# Altium PCB Brake Module PCB R5.PcbDoc (part 2 of 3)
Units mm, origin at the board's own origin, x right, y up, seen from the top; angles counter-clockwise.
Board outline 73.35 x 121.67 mm, 4 copper layers (Top Layer, GND, Power, Bottom Layer), stack 1.371 mm thick; 145 components, 92 nets, 490 pads, 190 vias.
Unrouted connection lines stored in the file: 20.
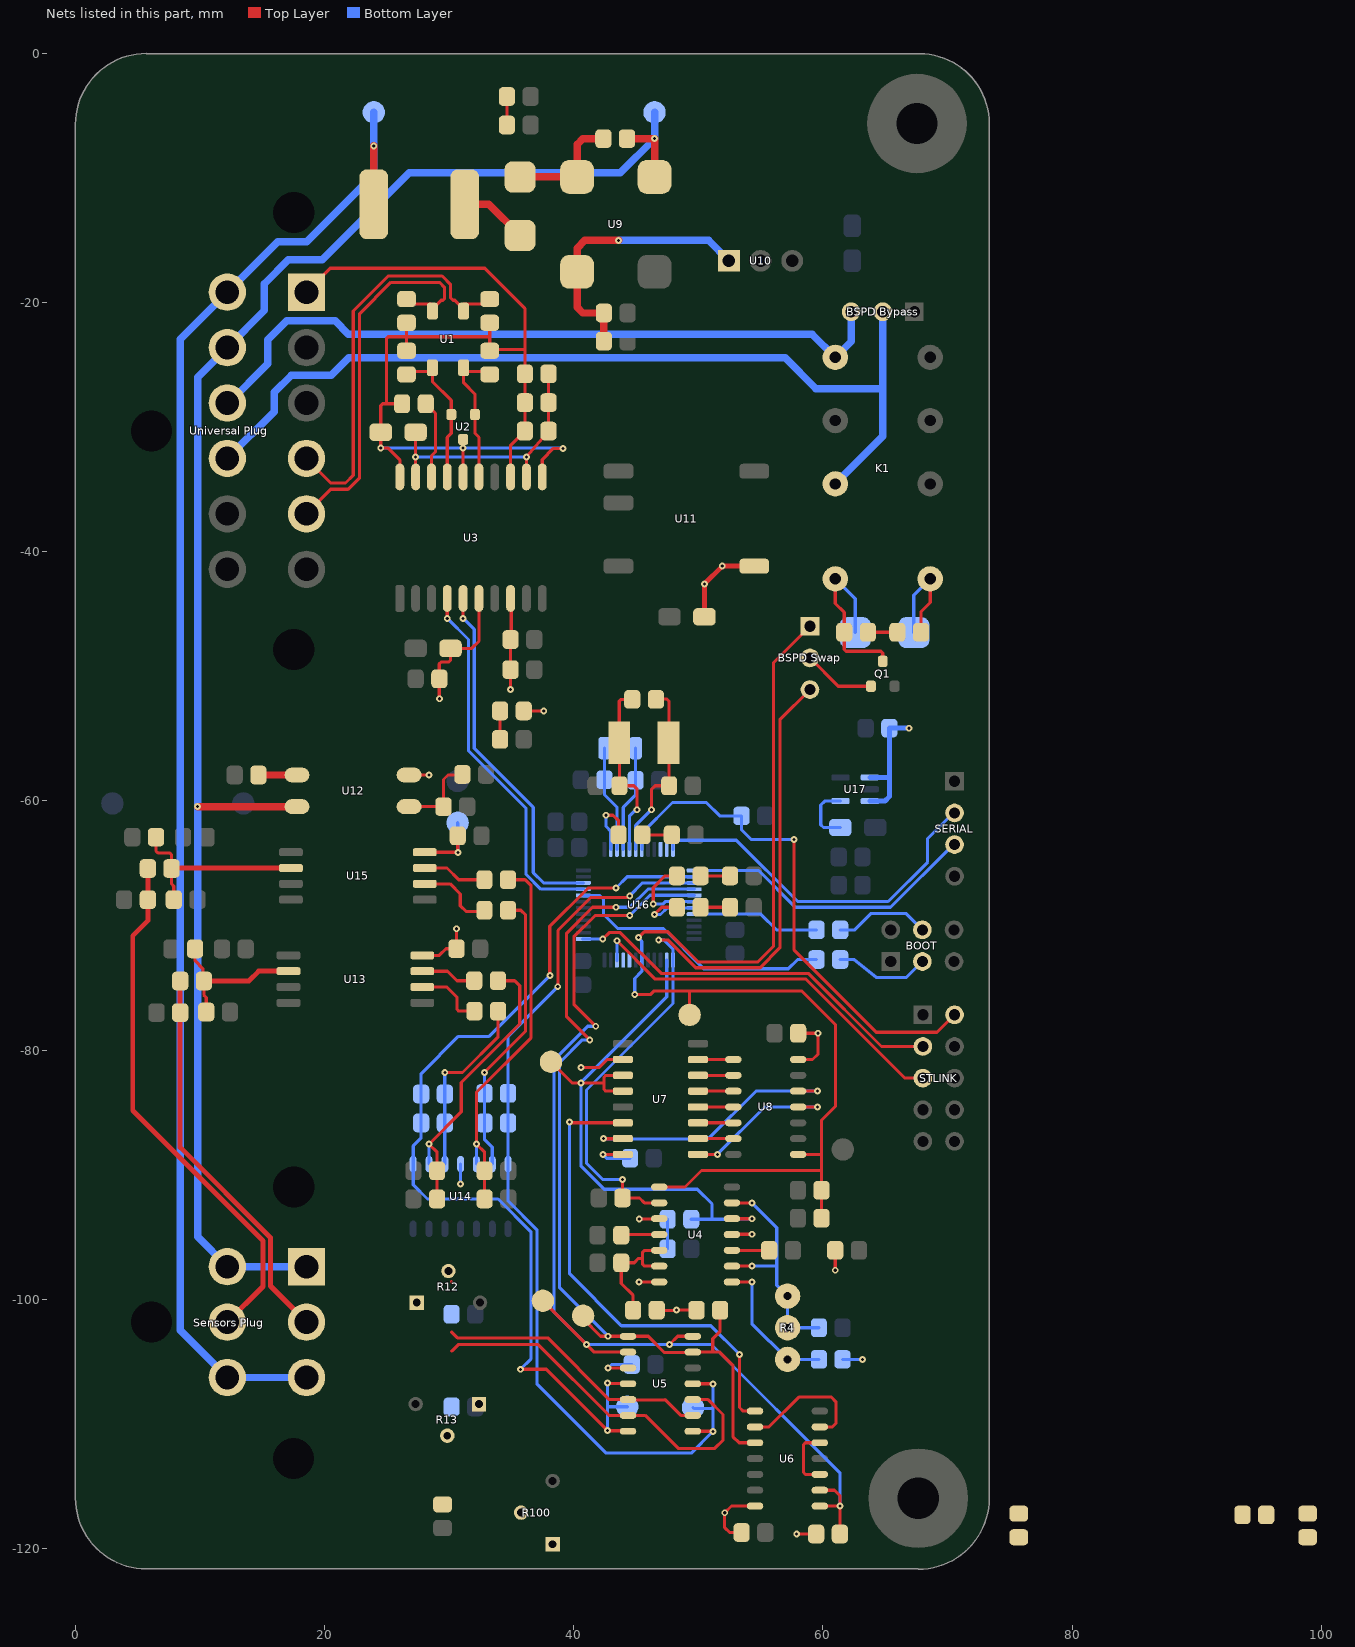
[diagram p4: the nets of this part, all layers, seen from the top]

## Via types
v1: diameter 0.55, hole 0.25, Top Layer to Bottom Layer, tented both sides, 190 vias

## Nets (pads, with @x,y where several pads share a name; then routed paths per layer and width w, separated by ;. In a path a pad name is that pad's centre, name@x,y a point inside that pad or via, vN(x,y) a via of type N, cw(c..) or ccw(c..) an arc to the next point about the centre after c; other vN are vias at no path point) (continued)
"5V (ISO)": "5V (ISO).1" C10.2 C11.2 C12.2 C13.2 C18.2 C19.2 C20.2 C21.2 C29.2 C32.2 C37.2 C50.2 D5.A D6.K D7.A K1.1 R2.2 R3.2 R8.2 R9.2 R10.2 R12.1 R13.1 R100.1 U3.6 U3.8 U4.4 U4.10 U4.14 U5.3 U6.14 U7.10 U7.16 U8.14 U11.5 U12.4 U13.8 U14.4 U15.8 U17.1 U17.3 | length 95.3
  Top Layer w0.254: U12.4@26.784,-57.919 v1(28.384,-57.919) ; U13.8@27.843,-72.397 29.214,-72.397 29.748,-71.863 C32.2@30.587,-71.863 v1(30.587,-70.263) ; U15.8@28.041,-64.117 30.667,-64.117 v1@30.687,-64.137 ; v1(29.209,-51.798) C13.2@29.209,-50.198 29.209,-49 29.358,-48.851 29.96,-48.851 30.109,-48.702 C12.2@30.109,-47.759 31.805,-47.759 32.389,-47.175 U3.6@32.389,-43.746 ; C37.2@30.687,-62.799 v1@30.687,-64.137 ; v1(30.7,-64.15) v1@30.687,-64.137 ; v1(34.929,-51.06) C11.2@34.929,-49.46 C10.2@34.929,-47.047 34.98,-46.996 34.98,-43.797 U3.8@34.929,-43.746 ; D5.A@35.987,-52.776 v1(37.587,-52.776) ; v1(40.568,-81.402) 42.049,-81.402 42.693,-80.758 U7.10@43.941,-80.758 ; v1(42.341,-88.378) U7.16@43.941,-88.378 ; v1(42.756,-105.515) U5.3@44.356,-105.515 ; v1(45.24,-98.615) U4.14@46.84,-98.615 ; v1(45.256,-93.554) U4.10@46.856,-93.554 ; R3.2@46.663,-100.876 46.687,-100.9 48.225,-100.9 v1(48.25,-100.875) R10.2@49.85,-100.875 ; U4.4@52.706,-94.786 v1(54.306,-94.786) ; C19.2@53.475,-118.721 52.506,-118.721 52.112,-118.328 52.112,-117.153 52.666,-116.6 U6.14@54.55,-116.6 ; v1(57.893,-118.85) R9.2@59.493,-118.85 ; U8.14@58.007,-80.758 59.167,-80.758 59.613,-80.312 v1(59.613,-78.651) C21.2@58.013,-78.651 ; v1(60.986,-97.676) R8.2@60.986,-96.076 ; D7.A@67.872,-46.463 67.872,-44.816 68.612,-44.076 K1.1@68.612,-42.171
  Top Layer w0.4: C29.2@50.486,-45.219 v1(50.486,-42.589) v1(51.92,-41.155) U11.5@54.486,-41.155
  Bottom Layer w0.254: 30.675,-61.75 30.688,-61.763 30.688,-64.138 v1(30.7,-64.15) ; v1(30.92,-90.751) U14.4@30.92,-89.151 ; v1(42.341,-88.378) 42.641,-88.678 C20.2@44.522,-88.678 ; v1(42.756,-105.515) 42.777,-105.515 43.053,-105.239 C18.2@44.657,-105.239 ; R2.2@61.575,-104.829 v1(63.175,-104.829) ; D6.K@67.296,-46.489 67.296,-43.487 K1.1@68.612,-42.171
  Bottom Layer w0.4: U17.3@63.767,-60.013 64.979,-60.013 65.331,-59.661 65.331,-58.113 ; U17.1@63.767,-58.113 65.331,-58.113 ; v1(66.904,-54.163) 66.9,-54.159 C50.2@65.331,-54.159 65.331,-58.113
  other v1: 52.122,-117.142
12V/24V: C26.2 C27.2 U9.2 U10.1 | length 22.5
  Top Layer w0.6: C26.2@42.421,-23.095 42.422,-23.094 C27.2@42.421,-20.835 C27.2@42.421,-20.835 40.732,-20.835 40.263,-20.366 U9.2@40.263,-17.533 40.263,-15.628 40.898,-14.993 43.588,-14.993 v1(43.601,-15.006)
  Bottom Layer w0.6: v1(43.601,-15.006) 50.817,-15.006 U10.1@52.455,-16.644
BOOT0: BOOT.3 R39.1 | length 7.6
  Bottom Layer w0.254: R39.1@61.387,-72.726 62.491,-72.726 64.291,-74.175 66.7,-74.175 BOOT.3@67.985,-72.89
BOOT1: BOOT.4 R40.2 | length 7.7
  Bottom Layer w0.254: R40.2@61.388,-70.349 62.551,-70.349 63.875,-69.025 66.66,-69.025 BOOT.4@67.985,-70.35
"BSPD DELAY (ISO)": "BSPD Swap.3" R6.1 U4.9 U16.25 | length 62.6
  Top Layer w0.254: v1(43.915,-90.385) 43.909,-90.391 43.909,-91.871 R6.1@43.912,-91.874 45.274,-91.874 45.665,-92.265 U4.9@46.863,-92.265 ; v1(46.816,-71.152) 47.558,-71.152 49.793,-73.387 54.956,-73.387 56.544,-71.799 56.544,-53.477 58.96,-51.061
  Bottom Layer w0.254: v1(43.915,-90.385) 43.909,-90.391 42.317,-90.391 41.025,-89.099 41.025,-83.205 47.966,-76.264 U16.25@47.966,-72.783 47.966,-71.897 47.221,-71.152 v1(46.816,-71.152)
"BSPD OK": "BSPD Swap.1" BSPD.1 C22.2 R11.2 U4.8 U8.8 U16.30 | length 95.1
  Top Layer w0.254: v1(44.9,-75.55) 46.139,-75.55 46.419,-75.269 49.292,-75.269 ; v1(45.191,-70.975) 45.669,-70.496 47.549,-70.496 49.983,-72.93 54.766,-72.93 56.036,-71.66 56.036,-48.905 58.337,-46.604 58.96,-45.981 ; U4.8@46.863,-90.995 48.93,-90.995 50.256,-89.669 59.888,-89.669 ; BSPD.1@49.3,-77.175 49.292,-77.167 49.292,-75.269 ; U8.8@58.007,-88.378 59.888,-88.378 ; R11.2@59.888,-93.501 C22.2@59.888,-91.251 59.888,-89.669 ; 49.292,-75.269 58.319,-75.269 61,-77.95 61,-84.525 59.888,-85.637 59.888,-88.378 ; 59.888,-89.669 59.888,-88.378
  Bottom Layer w0.254: v1(44.9,-75.55) 44.9,-74.25 45.466,-73.684 U16.30@45.466,-72.783 ; v1(45.191,-70.975) 45.191,-71.005 45.457,-71.271 U16.30@45.457,-72.762
"CAN RX INDC": "CAN RX.A" U16.19 | length 5.5
  Top Layer w0.254: v1(46.474,-69.12) 47.057,-68.537 48.283,-68.537
  Bottom Layer w0.254: v1(46.474,-69.12) 46.959,-69.12 47.496,-68.583 U16.19@49.666,-68.583
"CAN TX INDC": "CAN TX.A" U16.18 | length 7
  Top Layer w0.254: v1(46.384,-68.282) 46.384,-66.956 47.32,-66.02 48.277,-66.02
  Bottom Layer w0.254: v1(46.384,-68.282) 47.151,-68.282 47.35,-68.083 U16.18@49.666,-68.083
CANH_P: "CAN TERM R1.2" "Universal Plug.5" C3.2 U1.2 | length 31.2
  Top Layer w0.254: 18.546,-36.959 18.546,-36.925 20.484,-34.987 21.888,-34.987 22.809,-34.066 22.809,-20.885 25.32,-18.374 29.222,-18.374 29.611,-18.764 29.611,-19.707 29.502,-19.816 29.348,-19.816 28.655,-20.51 U1.2@28.655,-20.681 ; C3.2@26.573,-19.722 26.974,-20.122 U1.2@28.54,-20.122
CANL_N: "CAN TERM R2.1" "Universal Plug.4" C2.2 U1.1 | length 32.2
  Top Layer w0.254: 18.546,-32.509 18.546,-32.543 20.482,-34.479 21.678,-34.479 22.301,-33.856 22.301,-20.675 25.11,-17.866 29.432,-17.866 30.119,-18.553 30.119,-19.627 30.308,-19.816 30.462,-19.816 31.155,-20.51 U1.1@31.155,-20.681 ; U1.1@31.17,-20.122 C2.2@32.853,-20.122 ; C2.2@32.853,-20.121 C2.2@33.253,-19.722
CANS: "Universal Plug.1" C1.2 C2.1 C3.1 C4.1 C5.1 C6.1 C7.1 C8.1 C9.1 R1.1 U2.3 U3.11 U3.13 U3.16 U3.20 | length 83.9
  Top Layer w0.254: 18.546,-19.159 20.459,-17.246 32.857,-17.246 36.075,-20.465 36.075,-23.756 ; U3.20@26.039,-33.993 26.039,-32.621 25.095,-31.677 v1(24.509,-31.677) C7.1@24.509,-30.402 24.509,-28.266 24.658,-28.117 24.956,-28.117 ; R1.1@26.221,-28.117 24.956,-28.117 ; C5.1@26.573,-23.863 26.573,-22.742 ; C3.1@26.573,-21.621 26.573,-22.742 ; U3.16@31.119,-33.993 U2.3@31.119,-30.979 ; C4.1@33.253,-23.863 C4.1@33.253,-23.756 ; C2.1@33.253,-21.621 33.253,-22.742 ; U3.13@34.929,-33.993 34.929,-31.456 C9.1@36.075,-30.31 C8.1@36.075,-28.024 C6.1@36.075,-25.716 ; C6.1@36.075,-25.576 36.075,-23.756 ; U3.11@37.469,-33.992 37.469,-32.606 38.369,-31.706 v1(39.145,-31.706) ; 24.956,-28.117 24.956,-22.891 25.105,-22.742 26.573,-22.742 ; 26.573,-22.742 33.253,-22.742 ; C4.1@33.253,-23.756 36.075,-23.756 ; C4.1@33.253,-23.756 33.253,-22.742
  Bottom Layer w0.254: v1@24.639,-31.677 39.116,-31.677 v1(39.145,-31.706)
  other v1: 31.119,-31.681
CLOCK: Clock.1 D1.A U4.5 U7.11 U7.12 U16.26 | length 47.9
  Top Layer w0.254: Clock.1@38.171,-80.946 39.871,-82.646 v1(40.568,-82.646) 42.421,-82.646 42.425,-82.65 ; U7.12@43.941,-83.298 42.574,-83.298 42.425,-83.149 42.425,-82.65 ; U7.11@43.941,-82.028 42.574,-82.028 42.425,-82.177 42.425,-82.65 ; U4.5@52.698,-93.535 v1(54.298,-93.535)
  Bottom Layer w0.254: U16.26@47.466,-72.783 47.466,-75.732 40.568,-82.63 40.568,-89.288 42.451,-91.171 49.921,-91.171 51.1,-92.35 51.1,-93.576 ; D1.A@49.432,-93.576 51.1,-93.576 ; 52.337,-93.576 51.1,-93.576 ; 52.337,-93.535 v1(54.298,-93.535)
GLV+: "Sensors Plug.3" "Sensors Plug.4" "Universal Plug.12" F1.1 GLV+.1 | length 122
  Top Layer w0.6: F1.1@23.946,-12.11 v1(23.946,-7.425)
  Bottom Layer w0.6: 18.546,-106.283 12.196,-106.283 12.196,-106.274 8.411,-102.49 8.411,-22.944 12.196,-19.159 16.235,-15.12 18.571,-15.12 23.95,-9.741 23.95,-7.429 v1(23.946,-7.425) 23.946,-4.729 GLV+.1@23.95,-4.725
GLV-: "Sensors Plug.1" "Sensors Plug.6" "Universal Plug.11" C25.1 GLV-.1 U9.4 U12.2 | length 139.9
  Top Layer w0.6: v1(9.808,-60.459) U12.2@17.784,-60.459 ; C25.1@44.273,-6.839 v1(46.483,-6.839) ; U9.4@46.483,-9.913 v1@46.483,-6.95
  Bottom Layer w0.6: 18.546,-97.383 12.196,-97.383 12.164,-97.351 9.808,-94.995 v1(9.808,-60.459) 9.808,-25.997 12.196,-23.609 15.174,-20.631 15.174,-18.49 17.095,-16.569 19.815,-16.569 26.791,-9.592 43.733,-9.592 46.483,-6.842 v1(46.483,-6.839) GLV-.1@46.483,-4.725
"Green Loop IN": "BSPD Bypass.3" "Universal Plug.10" K1.9 | length 58.1
  Bottom Layer w0.6: 12.196,-28.059 12.291,-28.059 15.45,-24.9 15.45,-22.975 16.975,-21.45 20.837,-21.45 21.912,-22.525 59.126,-22.525 K1.9@60.992,-24.391 62.262,-23.121 62.262,-20.733
"Green Loop OUT": "BSPD Bypass.2" "Universal Plug.9" K1.13 | length 73.3
  Bottom Layer w0.6: 12.196,-32.509 15.955,-28.75 15.955,-27.21 17.341,-25.825 20.55,-25.825 21.95,-24.425 56.962,-24.425 59.443,-26.906 64.802,-26.906 ; K1.13@60.992,-34.551 64.802,-30.741 64.802,-26.906 ; 64.802,-20.733 64.802,-26.906
"H REF 1": C23.2 R12.2 U5.5 U16.10 | length 22.2
  Top Layer w0.254: 30.179,-102.623 30.662,-103.106 37.906,-103.106 42.855,-108.055 U5.5@44.356,-108.055 ; 30.179,-98.603 30.192,-98.59 ; U5.5@44.35,-108.075 47.324,-108.075 ; 47.33,-108.055 48.6,-109.325 49.556,-109.325
"H REF 2": C100.2 R100.2 U5.9 U16.11
"L REF": C24.2 R13.2 U5.6 U5.10 | length 30.7
  Top Layer w0.254: 30.192,-104.16 30.713,-103.639 37.139,-103.639 42.825,-109.325 U5.6@44.356,-109.325 45.725,-109.325 48.375,-111.975 51.325,-111.975 51.975,-111.325 51.975,-109.25 50.78,-108.055 U5.10@49.556,-108.055
"NetBSPD Swap_2": "BSPD Swap.2" Q1.G | length 5.8
  Top Layer w0.254: 58.96,-48.521 61.23,-50.791 Q1.G@63.852,-50.791
NetC1_1: "CAN TERM R1.1" "CAN TERM R2.2" C1.1
NetC4_2: C4.2 U1.4 U2.1 U3.15 | length 11.5
  Top Layer w0.254: U1.4@31.155,-25.343 U1.4@31.35,-25.538 ; U1.4@31.155,-25.231 31.155,-26.433 32.069,-27.347 U2.1@32.069,-28.979 ; U1.4@31.35,-25.539 C4.2@33.028,-25.539 ; U2.1@32.069,-29 32.069,-30.502 32.389,-30.822 U3.15@32.389,-33.993 ; C4.2@33.028,-25.538 C4.2@33.253,-25.763
NetC5_2: C5.2 U1.3 U2.2 U3.17 | length 11.8
  Top Layer w0.254: C5.2@26.573,-25.763 26.797,-25.539 28.363,-25.539 U1.3@28.649,-25.253 ; U1.3@28.655,-25.231 28.655,-26.334 30.169,-27.848 U2.2@30.169,-28.979 30.169,-30.497 29.849,-30.817 U3.17@29.849,-33.993
NetC6_2: C6.2 C7.2 C8.2 C9.2 U3.12 U3.19 | length 21.4
  Top Layer w0.254: U3.19@27.309,-33.993 v1(27.309,-32.393) C7.2@27.309,-30.402 ; U3.12@36.199,-33.993 v1(36.199,-32.393) C9.2@37.975,-30.31 C8.2@37.975,-28.024 C6.2@37.975,-25.716
  Bottom Layer w0.254: v1(27.309,-32.393) v1(36.199,-32.393)
NetC15_2: C15.2 U4.3 | length 3
  Top Layer w0.254: U4.3@52.698,-96.075 C15.2@55.687,-96.075
NetC16_2: C16.2 U4.11 | length 3.1
  Top Layer w0.254: C16.2@43.813,-94.805 U4.11@46.863,-94.805
NetC17_2: C17.2 R3.1 U4.12 U4.13 | length 9.8
  Top Layer w0.254: R3.1@44.763,-100.876 44.763,-99.688 43.813,-98.738 C17.2@43.813,-97.076 44.849,-97.076 45.2,-96.725 45.525,-96.725 ; U4.13@46.863,-97.345 45.674,-97.345 45.525,-97.196 45.525,-96.725 ; U4.12@46.863,-96.075 45.674,-96.075 45.525,-96.224 45.525,-96.725
NetC25_2: C25.2 D3.K U9.1 | length 9.5
  Top Layer w0.6: D3.K@35.691,-9.913 U9.1@40.263,-9.913 40.263,-7.307 40.732,-6.839 C25.2@42.373,-6.839
NetC30_2: C30.2 C40.2 R28.2 U13.2 | length 12.5
  Top Layer w0.254: C30.2@9.602,-71.88 9.602,-72.843 10.232,-73.473 10.232,-74.378 R28.2@10.309,-74.455 10.309,-75.59 10.496,-75.777 C40.2@10.496,-76.943
  Top Layer w0.4: R28.2@10.309,-74.455 13.922,-74.455 14.711,-73.667 U13.2@17.098,-73.667
NetC33_2: C33.2 R19.2 R22.2 U14.3 | length 23.9
  Top Layer w0.254: C33.2@29.03,-91.95 R22.2@29.03,-89.69 29.03,-88.201 v1(28.38,-87.551) 30.975,-84.956 30.975,-82.599 35.666,-77.908 35.666,-74.841 35.254,-74.429 33.908,-74.429
  Bottom Layer w0.254: 28.38,-89.151 v1(28.38,-87.551)
NetC34_1: "S1 AMP.1" C34.1 R20.2 U5.4 U5.7 U14.1 U16.14 | length 80.2
  Top Layer w0.254: v1(35.725,-105.625) 37.795,-105.625 v1(42.7,-110.53) 42.733,-110.562 44.323,-110.562 U5.7@44.356,-110.595 ; v1(38.079,-74.023) 38.079,-70.06 41.152,-66.987 v1(43.387,-66.987) ; v1(42.7,-106.72) 42.733,-106.752 44.323,-106.752 U5.4@44.356,-106.785
  Bottom Layer w0.254: v1(35.725,-105.625) 36.58,-104.77 36.58,-94.608 33.927,-91.955 28.257,-91.955 27.11,-90.808 U14.1@27.11,-89.151 27.11,-87.69 27.75,-87.05 C34.1@27.75,-85.849 R20.2@27.75,-83.523 27.75,-81.887 30.738,-78.899 33.202,-78.899 v1(38.079,-74.023) ; v1(42.7,-110.53) 42.7,-108.625 ; v1(42.7,-106.72) 42.7,-108.625 ; v1(43.387,-66.987) 44.291,-66.083 U16.14@49.666,-66.083 ; 44.3,-108.625 42.7,-108.625
NetC34_2: C34.2 R20.1 R21.2 U14.2 | length 14.9
  Top Layer w0.254: v1(29.65,-81.795) 31.068,-81.795 33.925,-78.938 33.925,-76.875
  Bottom Layer w0.254: 29.65,-89.151 v1(29.65,-81.795)
NetC35_2: C35.2 C41.2 R30.2 U15.2 | length 15.8
  Top Layer w0.254: C35.2@6.466,-62.909 6.466,-64.026 6.615,-64.175 7.561,-64.175 7.709,-64.324 R30.2@7.709,-65.426 ; R30.2@7.749,-65.387 R30.2@7.709,-65.426 ; C41.2@7.896,-67.925 7.896,-66.846 7.709,-66.659 R30.2@7.709,-65.426
  Top Layer w0.4: R30.2@7.749,-65.387 U15.2@17.296,-65.387
NetC38_2: C38.2 R25.2 R26.2 U14.5 | length 30.9
  Top Layer w0.254: R26.2@32.84,-91.95 C38.2@32.84,-89.69 32.84,-88.201 v1(32.19,-87.551) 32.19,-83.391 36.58,-79.001 36.58,-66.809 36.098,-66.327 R25.2@34.724,-66.327
  Bottom Layer w0.254: U14.5@32.19,-89.151 v1(32.19,-87.551)
NetC39_1: "S2 AMP.1" C39.1 R24.2 U5.8 U5.11 U14.7 U16.15 | length 77.4
  Top Layer w0.254: v1(38.714,-74.912) 38.735,-74.891 38.735,-70.395 41.385,-67.744 44.357,-67.744 v1@44.479,-67.622 ; U5.8@49.556,-110.595 49.561,-110.6 51.17,-110.6 v1(51.175,-110.605) ; U5.11@49.556,-106.785 49.561,-106.79 51.17,-106.79 v1(51.175,-106.795)
  Bottom Layer w0.254: v1(38.714,-74.912) 34.73,-78.895 R24.2@34.73,-83.471 C39.1@34.73,-85.849 U14.7@34.73,-89.151 34.73,-92.112 37.037,-94.419 37.037,-106.788 42.599,-112.35 49.43,-112.35 v1(51.175,-110.605) 51.175,-108.765 ; v1(44.492,-67.622) 44.492,-67.609 45.518,-66.583 U16.15@49.666,-66.583 ; 49.575,-108.7 49.64,-108.765 51.175,-108.765 ; v1(51.175,-106.795) 51.175,-108.765
NetC39_2: C39.2 R23.2 R24.1 U14.6 | length 23.2
  Top Layer w0.254: v1(32.83,-81.795) 36.123,-78.502 36.123,-69.142 35.756,-68.775 R23.2@34.725,-68.775
  Bottom Layer w0.254: v1(32.83,-81.795) 32.83,-87.155 33.46,-87.785 U14.6@33.46,-89.151
NetC51_2: C51.2 U17.4 | length 5
  Bottom Layer w0.254: C51.2@61.399,-62.135 60.05,-62.135 59.821,-61.907 59.821,-60.328 60.137,-60.013 U17.4@61.405,-60.013
"NetCAN RX_1": U3.4 U16.45 | length 29.9
  Top Layer w0.254: v1(29.849,-45.346) U3.4@29.849,-43.746
  Bottom Layer w0.254: v1(29.849,-45.346) 31.55,-47.047 31.55,-55.975 36.167,-60.592 36.167,-65.888 37.362,-67.083 U16.45@40.766,-67.083
"NetCAN RX_K": "CAN RX.K" R47.2 | length 2.4
  Top Layer w0.254: 50.183,-68.537 R47.2@52.55,-68.537
"NetCAN TX_1": U3.5 U16.46 | length 28.7
  Top Layer w0.254: v1(31.119,-45.346) U3.5@31.119,-43.746
  Bottom Layer w0.254: v1(31.119,-45.346) 32.007,-46.234 32.007,-55.786 36.743,-60.521 36.743,-65.752 37.573,-66.583 39.554,-66.583 U16.46@40.766,-66.583
"NetCAN TX_K": "CAN TX.K" R46.2 | length 2.4
  Top Layer w0.254: 50.177,-66.02 R46.2@52.544,-66.02
NetD1_K: D1.K R7.2 | length 2.4
  Bottom Layer w0.254: R7.2@47.532,-95.954 D1.K@47.532,-93.576
NetD2_K: D2.K R45.2 | length 2.4
  Top Layer w0.254: R45.2@45.502,-62.723 D2.K@47.871,-62.723
NetD3_A: D3.A F1.2 | length 5.5
  Top Layer w0.6: F1.2@31.246,-12.11 33.188,-12.11 D3.A@35.691,-14.613
NetD4_K: D4.K R14.2 | length 2.3
  Top Layer w0.254: D4.K@34.634,-5.744 R14.2@34.634,-3.458
NetD5_K: D5.K R15.2 | length 2.3
  Top Layer w0.254: R15.2@34.087,-55.062 D5.K@34.087,-52.776
NetD6_A: D6.A K1.16 Q1.D R48.1 | length 14.8
  Top Layer w0.254: K1.16@60.992,-42.171 60.992,-44.152 61.708,-44.868 R48.1@61.708,-46.463 61.708,-47.839 61.857,-47.988 64.653,-47.988 64.802,-48.136 Q1.D@64.802,-48.791
  Bottom Layer w0.254: K1.16@60.992,-42.171 62.596,-43.775 D6.A@62.596,-46.489
NetD7_K: D7.K R48.2 | length 2.6
  Top Layer w0.254: R48.2@63.354,-46.463 R48.2@63.608,-46.463 D7.K@65.972,-46.463
"NetHigh P_1": "High P.1" R9.1 U5.2 U5.14 U6.1 U6.2 U16.17 | length 91.7
  Top Layer w0.254: 37.525,-100.125 41.645,-104.245 U5.2@44.356,-104.245 ; v1(41.762,-78.087) 40.009,-76.334 40.009,-70.898 41.711,-69.197 v1(44.492,-69.197) ; v1(47.688,-103.631) 48.344,-102.975 U5.14@49.556,-102.975 ; U6.2@59.75,-115.33 60.93,-115.33 61.358,-115.758 v1(61.358,-116.586) ; U6.1@59.758,-116.586 v1(61.358,-116.586) ; R9.1@61.358,-118.846 v1(61.358,-116.586)
  Bottom Layer w0.254: v1(41.762,-78.087) 41.127,-78.087 38.408,-80.806 38.408,-101.008 41.031,-103.631 v1(47.688,-103.631) 51.056,-103.631 61.358,-113.933 v1(61.358,-116.586) ; v1(44.492,-69.197) 46.118,-67.571 49.654,-67.571 U16.17@49.666,-67.583
  other v1: 41.026,-103.626
"NetLow P_1": "Low P.1" R10.1 U5.1 U5.13 U6.10 U16.16 | length 73
  Top Layer w0.254: 40.75,-101.325 40.75,-101.575 42.15,-102.975 v1(42.756,-102.975) U5.1@44.356,-102.975 45.975,-102.975 47.287,-104.287 49.514,-104.287 U5.13@49.556,-104.245 51.15,-104.245 ; v1(41.281,-79.183) 41.281,-79.181 39.425,-77.325 39.425,-70.619 41.508,-68.536 v1@43.336,-68.536 ; R10.1@51.75,-100.875 51.75,-102.575 51.15,-103.175 51.15,-104.245 ; U6.10@54.55,-111.52 53.27,-111.52 52.775,-111.025 52.775,-105.3 51.72,-104.245 51.15,-104.245
  Bottom Layer w0.254: v1(41.281,-79.183) 40.678,-79.183 38.865,-80.995 38.865,-99.084 v1(42.756,-102.975) ; v1@43.336,-68.536 44.505,-68.536 45.959,-67.083 U16.16@49.666,-67.083
  other v1: 43.387,-68.536
NetP5_1: U6.8 U7.14 | length 38.4
  Top Layer w0.254: v1(39.653,-85.783) 39.709,-85.838 U7.14@43.941,-85.838 ; v1(53.3,-104.425) 53.3,-108.686 53.594,-108.98 U6.8@54.55,-108.98
  Bottom Layer w0.254: v1(39.653,-85.783) 39.663,-85.792 39.663,-97.963 43.825,-102.125 51,-102.125 v1(53.3,-104.425)
NetR1_2: R1.2 U3.18 | length 6.3
  Top Layer w0.254: R1.2@28.121,-28.117 28.9,-28.896 28.9,-31.982 28.579,-32.303 U3.18@28.579,-33.993
NetR2_1: R2.1 R4.3 U4.1 | length 11.5
  Top Layer w0.254: U4.1@52.698,-98.615 v1(54.298,-98.615)
  Bottom Layer w0.254: v1(54.298,-98.615) 54.298,-101.961 R4.3@57.166,-104.829 R2.1@59.675,-104.829
NetR16_1: R16.1 U12.1 | length 3.1
  Top Layer w0.6: R16.1@14.682,-57.919 U12.1@17.784,-57.919
NetR17_2: R17.2 R18.2 U12.3 | length 6.6
  Top Layer w0.254: U12.3@26.784,-60.459 R17.2@29.546,-60.459 29.546,-58.279 29.906,-57.919 R18.2@31.062,-57.919
NetR19_1: R19.1 U13.7 | length 5.6
  Top Layer w0.254: 27.843,-74.937 29.812,-74.937 30.625,-75.75 30.625,-76.726 30.774,-76.875 R19.1@32.025,-76.875
NetR21_1: R21.1 U13.6 | length 4.5
  Top Layer w0.254: 27.843,-73.667 29.867,-73.667 30.629,-74.429 R21.1@32.008,-74.429
NetR23_1: R23.1 U15.6 | length 6.2
  Top Layer w0.254: U15.6@28.041,-66.657 30.078,-66.657 30.89,-67.469 30.89,-68.409 31.348,-68.867 R23.1@32.824,-68.867
NetR25_1: R25.1 U15.7 | length 5.2
  Top Layer w0.254: U15.7@28.041,-65.387 29.824,-65.387 30.764,-66.327 R25.1@32.824,-66.327
NetR39_2: R39.2 U16.44 | length 22.2
  Bottom Layer w0.254: U16.44@40.766,-67.583 40.789,-67.606 42.101,-67.606 42.397,-67.901 42.397,-69.12 43.519,-70.242 47.202,-70.242 50.434,-73.475 57.225,-73.475 57.974,-72.726 R39.2@59.487,-72.726
NetR40_1: R40.1 U16.20 | length 10.3
  Bottom Layer w0.254: U16.20@49.666,-69.083 55.008,-69.083 56.274,-70.349 R40.1@59.488,-70.349
NetU6_3: U6.3 U6.5 | length 5
  Top Layer w0.254: U6.3@59.75,-114.06 58.591,-114.06 58.442,-113.911 58.442,-111.669 58.591,-111.52 U6.5@59.75,-111.52
NetU6_6: U6.6 U6.9 | length 10.8
  Top Layer w0.254: U6.9@54.55,-110.25 55.674,-110.25 58.067,-107.858 60.687,-107.858 61.045,-108.215 61.045,-109.971 60.765,-110.25 U6.6@59.75,-110.25
NetU7_1: U7.1 U8.11 | length 12.8
  Top Layer w0.254: U7.1@49.93,-88.375 v1(51.53,-88.375) ; U8.11@57.966,-84.565 v1(59.566,-84.565)
  Bottom Layer w0.254: v1(51.53,-88.375) 51.53,-88.37 55.335,-84.565 v1(59.566,-84.565)
NetU7_2: U7.2 U8.6 | length 3.3
  Top Layer w0.254: U7.2@49.523,-87.108 U8.6@52.807,-87.108
NetU7_3: U7.3 U8.5 | length 3.3
  Top Layer w0.254: U7.3@49.523,-85.838 U8.5@52.807,-85.838
NetU7_4: U7.4 U8.4 | length 3.3
  Top Layer w0.254: U7.4@49.523,-84.568 U8.4@52.807,-84.568
NetU7_5: U7.5 U8.3 | length 3.3
  Top Layer w0.254: U7.5@49.523,-83.298 U8.3@52.807,-83.298
NetU7_6: U7.6 U8.2 | length 3.3
  Top Layer w0.254: U7.6@49.523,-82.028 U8.2@52.807,-82.028
NetU7_7: U7.7 U8.1 | length 3.3
  Top Layer w0.254: U7.7@49.523,-80.758 U8.1@52.807,-80.758
NetU7_15: U7.15 U8.12 | length 22
  Top Layer w0.254: v1(42.382,-87.111) U7.15@43.982,-87.111 ; U8.12@57.966,-83.295 v1(59.566,-83.295)
  Bottom Layer w0.254: v1(42.382,-87.111) 42.396,-87.125 50.8,-87.125 54.63,-83.295 v1(59.566,-83.295)
NRST: R38.1 STLINK.2 U16.7 | length 41.5
  Top Layer w0.254: v1(57.687,-63.101) 57.687,-71.979 64.284,-78.575 69.16,-78.575 STLINK.2@70.565,-77.17
  Bottom Layer w0.254: U16.7@45.466,-63.883 45.466,-62.584 47.925,-60.125 50.65,-60.125 51.724,-61.199 R38.1@53.463,-61.199 53.463,-62.313 54.251,-63.101 v1(57.687,-63.101)
PC13: R45.1 U16.2 | length 5.2
  Top Layer w0.254: v1(42.597,-61.146) 43.154,-61.146 43.602,-61.594 R45.1@43.602,-62.723
  Bottom Layer w0.254: v1(42.597,-61.146) 42.597,-62.057 42.966,-62.425 42.966,-63.868 U16.2@42.989,-63.891
"Sensor 1 IN": "Sensors Plug.2" R27.2 R28.1 | length 31.6
  Top Layer w0.4: R28.1@8.41,-74.455 R27.2@8.41,-76.995 8.41,-87.812 15.654,-95.057 15.654,-98.941 18.546,-101.833
"Sensor 2 IN": "Sensors Plug.5" R29.2 R30.1 | length 42.4
  Top Layer w0.4: R30.1@5.81,-65.426 R29.2@5.81,-67.925 5.81,-69.615 4.6,-70.825 4.6,-84.856 15.051,-95.307 15.051,-98.974 12.196,-101.83 12.196,-101.833
SWCLK: STLINK.3 U16.37 | length 31.3
  Top Layer w0.254: v1(42.325,-71.086) 42.843,-70.568 43.741,-70.568 47.017,-73.844 58.833,-73.844 64.699,-79.71 STLINK.3@68.025,-79.71
  Bottom Layer w0.254: U16.37@40.725,-71.086 v1(42.325,-71.086)
SWDIO: STLINK.5 U16.34 | length 30.7
  Top Layer w0.254: v1(43.469,-71.224) 46.547,-74.301 58.644,-74.301 66.593,-82.25 STLINK.5@68.025,-82.25
  Bottom Layer w0.254: U16.34@43.469,-72.824 v1(43.469,-71.224)
Trig/Thres: C14.2 R4.1 R4.2 U4.2 U4.6 | length 18.9
  Top Layer w0.254: U4.2@52.698,-97.345 v1(54.298,-97.345) ; U4.6@52.698,-92.265 v1(54.298,-92.265)
  Bottom Layer w0.254: v1(54.298,-97.345) 56.3,-97.345 ; v1(54.298,-92.265) 56.3,-94.267 56.3,-97.345 ; C14.2@59.675,-102.289 R4.2@57.166,-102.289 R4.1@57.166,-99.749 57.166,-99.741 56.3,-98.875 56.3,-97.345
UARTRX: SERIAL.3 U16.13 | length 24.1
  Bottom Layer w0.254: U16.13@49.666,-65.583 54.837,-65.583 57.786,-68.532 65.423,-68.532 SERIAL.3@70.45,-63.505
UARTTX: SERIAL.2 U16.12 | length 29.3
  Bottom Layer w0.254: U16.12@47.966,-63.883 47.966,-63.156 53.056,-63.156 57.975,-68.075 65.234,-68.075 68.4,-64.909 68.4,-63.015 SERIAL.2@70.45,-60.965
USBDM: U16.32
USBDP: U16.33
XTALA: C46.2 R31.1 U16.5 X1.1 | length 14.5
  Top Layer w0.254: R31.1@44.694,-51.849 43.806,-51.849 43.657,-51.998 X1.1@43.657,-55.338 43.667,-55.347 C46.2@43.667,-58.782 44.817,-58.782 45.064,-59.029 v1(45.064,-60.713)
  Bottom Layer w0.254: U16.5@44.466,-63.883 44.466,-61.223 44.646,-61.043 44.653,-61.043 44.984,-60.713 v1(45.064,-60.713)
XTALB: C47.2 R31.2 U16.6 X1.2 | length 14.8
  Top Layer w0.254: v1(46.232,-60.713) 46.232,-59.087 46.538,-58.782 C47.2@47.656,-58.782 47.656,-52.021 47.458,-51.823 46.62,-51.823 R31.2@46.594,-51.849
  Bottom Layer w0.254: U16.6@44.966,-63.883 44.966,-61.96 46.213,-60.713 v1(46.232,-60.713)
XTALC: C48.2 U16.3 X2.1 | length 8.5
  Bottom Layer w0.254: X2.1@42.467,-55.76 C48.2@42.467,-58.299 42.467,-59.514 43.466,-60.512 U16.3@43.466,-63.883
XTALD: C49.2 U16.4 X2.2 | length 8.5
  Bottom Layer w0.254: U16.4@43.966,-63.883 43.966,-60.515 44.967,-59.514 C49.2@44.967,-58.352 X2.2@44.967,-55.76
pads on no net: "BSPD Bypass.1" "Sensors Plug.0" "Universal Plug.0" "Universal Plug.2" "Universal Plug.3" "Universal Plug.6" "Universal Plug.7" K1.4 K1.6 K1.8 K1.11 STLINK.4 STLINK.6 STLINK.9 STLINK.10 U3.2 U3.14 U6.11 U6.12 U6.13 U7.9 U8.9 U8.10 U8.13 U11.8 U14.8 U14.9 U14.10 U14.12 U14.13 U14.14 U16.21 U16.22 U16.27 U16.28 U16.31 U16.38 U16.39 U16.40 U16.41 U16.42 U16.43

## Polygon pours and split planes (outlines as drawn)
"0V (ISO)" on Top Layer "0V_(ISO)_L01_P000" (solid, remove dead copper, pour order 0): 24.666,-40.568 72.966,-40.568 72.966,-115.968 cw(c67.741,-115.968) 67.741,-121.193 63.241,-121.193 24.666,-121.168
0V on Top Layer "0V_L01_P001" (solid, remove dead copper, pour order 1): 20.675,-121.15 20.675,-38.55 cw(c22.603,-38.593) 22.8,-36.675 72.85,-36.675 72.85,-5.625 ccw(c67.725,-5.625) 67.725,-0.5 5.725,-0.5 ccw(c5.725,-5.725) 0.5,-5.725 0.5,-115.95 ccw(c5.7,-115.95) 5.7,-121.15
"0V (ISO)" on Bottom Layer "0V_(ISO)_L04_P003" (solid, remove dead copper, pour order 3): 24.55,-40.55 72.85,-40.55 72.85,-115.95 cw(c67.625,-115.95) 67.625,-121.175 63.125,-121.175 24.55,-121.15
"3.3V (ISO)" on Bottom Layer "3V3_1" (solid, pour order 2): 39.78,-65.31 40.187,-65.717 41.381,-65.717 42.092,-64.904 42.092,-63.05 41.127,-62.11 41.127,-61.069 40.949,-60.891 39.933,-60.891 39.78,-61.043
0V on Bottom Layer "0V_L04_P004" (solid, remove dead copper, pour order 4): 20.675,-121.15 20.675,-38.55 cw(c22.603,-38.593) 22.8,-36.675 72.85,-36.675 72.85,-5.625 ccw(c67.725,-5.625) 67.725,-0.5 5.725,-0.5 ccw(c5.725,-5.725) 0.5,-5.725 0.5,-115.95 ccw(c5.7,-115.95) 5.7,-121.15
5V on Power (split plane): 5.693,-0.517 67.623,-0.517 67.65,-0.526 67.75,-0.535 67.767,-0.534 68.057,-0.543 68.364,-0.57 68.668,-0.617 68.969,-0.681 69.265,-0.764 69.556,-0.864 69.84,-0.982 70.117,-1.117 70.385,-1.268 70.643,-1.435 70.891,-1.617 71.127,-1.814 71.351,-2.025 71.562,-2.249 71.759,-2.485 71.941,-2.733 72.108,-2.991 72.259,-3.259 72.394,-3.536 72.512,-3.82 72.612,-4.111 72.695,-4.407 72.759,-4.708 72.806,-5.012 72.833,-5.318 72.842,-5.601 72.84,-5.625 72.84,-36.673 22.61,-36.673 22.42,-36.682 22.231,-36.71 22.046,-36.756 21.867,-36.821 21.694,-36.902 21.531,-37 21.378,-37.114 21.237,-37.242 21.109,-37.383 20.995,-37.536 20.897,-37.699 20.816,-37.872 20.751,-38.051 20.705,-38.236 20.677,-38.425 20.668,-38.615 20.668,-121.138 5.7,-121.138 5.667,-121.141 5.387,-121.132 5.074,-121.104 4.764,-121.057 4.458,-120.991 4.155,-120.907 3.859,-120.804 3.569,-120.684 3.287,-120.547 3.014,-120.393 2.751,-120.223 2.498,-120.037 2.257,-119.836 2.029,-119.621 1.814,-119.393 1.613,-119.152 1.427,-118.899 1.257,-118.636 1.103,-118.363 0.966,-118.081 0.846,-117.791 0.743,-117.495 0.659,-117.192 0.593,-116.886 0.546,-116.576 0.518,-116.263 0.51,-116.002 0.514,-115.954 0.514,-5.696 0.51,-5.648 0.518,-5.387 0.546,-5.074 0.593,-4.764 0.659,-4.458 0.743,-4.155 0.846,-3.859 0.966,-3.569 1.103,-3.287 1.257,-3.014 1.427,-2.751 1.613,-2.498 1.814,-2.257 2.029,-2.029 2.257,-1.814 2.498,-1.613 2.751,-1.427 3.014,-1.257 3.287,-1.103 3.569,-0.966 3.859,-0.846 4.155,-0.743 4.458,-0.659 4.764,-0.593 5.074,-0.546 5.387,-0.518 5.622,-0.511
"5V (ISO)" on Power (split plane): 72.84,-55.385 44.158,-55.385 44.049,-55.393 43.943,-55.414 43.839,-55.449 43.742,-55.497 43.651,-55.557 43.57,-55.629 37.462,-61.737 37.39,-61.819 37.366,-61.855 37.33,-61.909 37.282,-62.007 37.247,-62.11 37.225,-62.216 37.218,-62.325 37.218,-72.825 37.225,-72.934 37.247,-73.04 37.282,-73.143 37.33,-73.241 37.366,-73.295 37.39,-73.331 37.462,-73.413 41.537,-77.488 41.619,-77.56 41.655,-77.584 41.709,-77.62 41.774,-77.653 41.807,-77.668 41.91,-77.703 41.969,-77.715 42.016,-77.725 42.125,-77.732 61.918,-77.732 61.918,-92.325 61.925,-92.434 61.947,-92.54 61.982,-92.643 62.03,-92.741 62.09,-92.831 62.162,-92.913 66.762,-97.513 66.844,-97.585 66.88,-97.609 66.934,-97.645 66.999,-97.678 67.032,-97.693 67.135,-97.728 67.156,-97.733 67.241,-97.75 67.35,-97.757 72.84,-97.757 72.84,-115.975 72.841,-115.993 72.832,-116.288 72.804,-116.601 72.757,-116.911 72.691,-117.217 72.607,-117.52 72.504,-117.816 72.384,-118.106 72.247,-118.388 72.093,-118.661 71.923,-118.924 71.737,-119.177 71.536,-119.418 71.321,-119.646 71.093,-119.861 70.852,-120.062 70.599,-120.248 70.336,-120.418 70.063,-120.572 69.781,-120.709 69.491,-120.829 69.195,-120.932 68.892,-121.016 68.586,-121.082 68.276,-121.129 67.963,-121.157 67.799,-121.162 67.75,-121.147 67.65,-121.138 24.552,-121.138 24.552,-40.557 72.84,-40.557
"3.3V (ISO)" on Power (split plane): 72.84,-96.093 67.695,-96.093 63.582,-91.98 63.582,-76.9 63.575,-76.791 63.553,-76.685 63.518,-76.582 63.47,-76.484 63.41,-76.394 63.338,-76.312 63.256,-76.24 63.166,-76.18 63.068,-76.132 62.965,-76.097 62.859,-76.075 62.75,-76.068 42.47,-76.068 38.882,-72.48 38.882,-62.67 44.502,-57.049 72.84,-57.049
"0V (ISO)" on GND (split plane): 72.84,-115.975 72.841,-115.993 72.832,-116.288 72.804,-116.601 72.757,-116.911 72.691,-117.217 72.607,-117.52 72.504,-117.816 72.384,-118.106 72.247,-118.388 72.093,-118.661 71.923,-118.924 71.737,-119.177 71.536,-119.418 71.321,-119.646 71.093,-119.861 70.852,-120.062 70.599,-120.248 70.336,-120.418 70.063,-120.572 69.781,-120.709 69.491,-120.829 69.195,-120.932 68.892,-121.016 68.586,-121.082 68.276,-121.129 67.963,-121.157 67.799,-121.162 67.75,-121.147 67.65,-121.138 24.567,-121.138 24.567,-40.542 72.84,-40.542
"0V (ISO)" on GND (split plane): 5.693,-0.517 67.623,-0.517 67.65,-0.526 67.75,-0.535 67.767,-0.534 68.057,-0.543 68.364,-0.57 68.668,-0.617 68.969,-0.681 69.265,-0.764 69.556,-0.864 69.84,-0.982 70.117,-1.117 70.385,-1.268 70.643,-1.435 70.891,-1.617 71.127,-1.814 71.351,-2.025 71.562,-2.249 71.759,-2.485 71.941,-2.733 72.108,-2.991 72.259,-3.259 72.394,-3.536 72.512,-3.82 72.612,-4.111 72.695,-4.407 72.759,-4.708 72.806,-5.012 72.833,-5.318 72.842,-5.601 72.84,-5.625 72.84,-36.658 22.625,-36.658 22.435,-36.667 22.246,-36.695 22.061,-36.741 21.882,-36.806 21.709,-36.887 21.546,-36.985 21.393,-37.099 21.252,-37.227 21.124,-37.368 21.01,-37.521 20.912,-37.684 20.831,-37.857 20.766,-38.036 20.72,-38.221 20.692,-38.41 20.683,-38.6 20.683,-121.138 5.7,-121.138 5.667,-121.141 5.387,-121.132 5.074,-121.104 4.764,-121.057 4.458,-120.991 4.155,-120.907 3.859,-120.804 3.569,-120.684 3.287,-120.547 3.014,-120.393 2.751,-120.223 2.498,-120.037 2.257,-119.836 2.029,-119.621 1.814,-119.393 1.613,-119.152 1.427,-118.899 1.257,-118.636 1.103,-118.363 0.966,-118.081 0.846,-117.791 0.743,-117.495 0.659,-117.192 0.593,-116.886 0.546,-116.576 0.518,-116.263 0.51,-116.002 0.514,-115.954 0.514,-5.696 0.51,-5.648 0.518,-5.387 0.546,-5.074 0.593,-4.764 0.659,-4.458 0.743,-4.155 0.846,-3.859 0.966,-3.569 1.103,-3.287 1.257,-3.014 1.427,-2.751 1.613,-2.498 1.814,-2.257 2.029,-2.029 2.257,-1.814 2.498,-1.613 2.751,-1.427 3.014,-1.257 3.287,-1.103 3.569,-0.966 3.859,-0.846 4.155,-0.743 4.458,-0.659 4.764,-0.593 5.074,-0.546 5.387,-0.518 5.622,-0.511

## Keep-outs
Top Layer:
  region: 43.931,-52.773 43.931,-57.93 44.073,-58.071 47.426,-58.071 47.426,-52.691 47.357,-52.622
  region: 50.956,-59.799 48.848,-59.799 48.848,-60.205 50.956,-60.205
  region: 50.652,-59.799 50.652,-52.128 48.188,-49.664 43.438,-49.664 40.974,-52.356 40.974,-58.071 40.238,-58.071 40.238,-52.128 43.133,-49.232 48.416,-49.232 50.956,-51.772 50.956,-59.799
Bottom Layer:
  region: 48.391,-59.799 48.391,-55.049 46.918,-53.576 41.66,-53.576 39.882,-55.354 39.882,-57.462 38.993,-57.462 38.993,-55.811 41.508,-53.296 47.019,-53.296 48.594,-54.871 48.594,-59.799
  region: 44.276,-59.125 44.276,-54.668 43.184,-54.668 43.184,-59.125